# Altium PCB PCB1.PcbDoc (part 3 of 5) (continued)
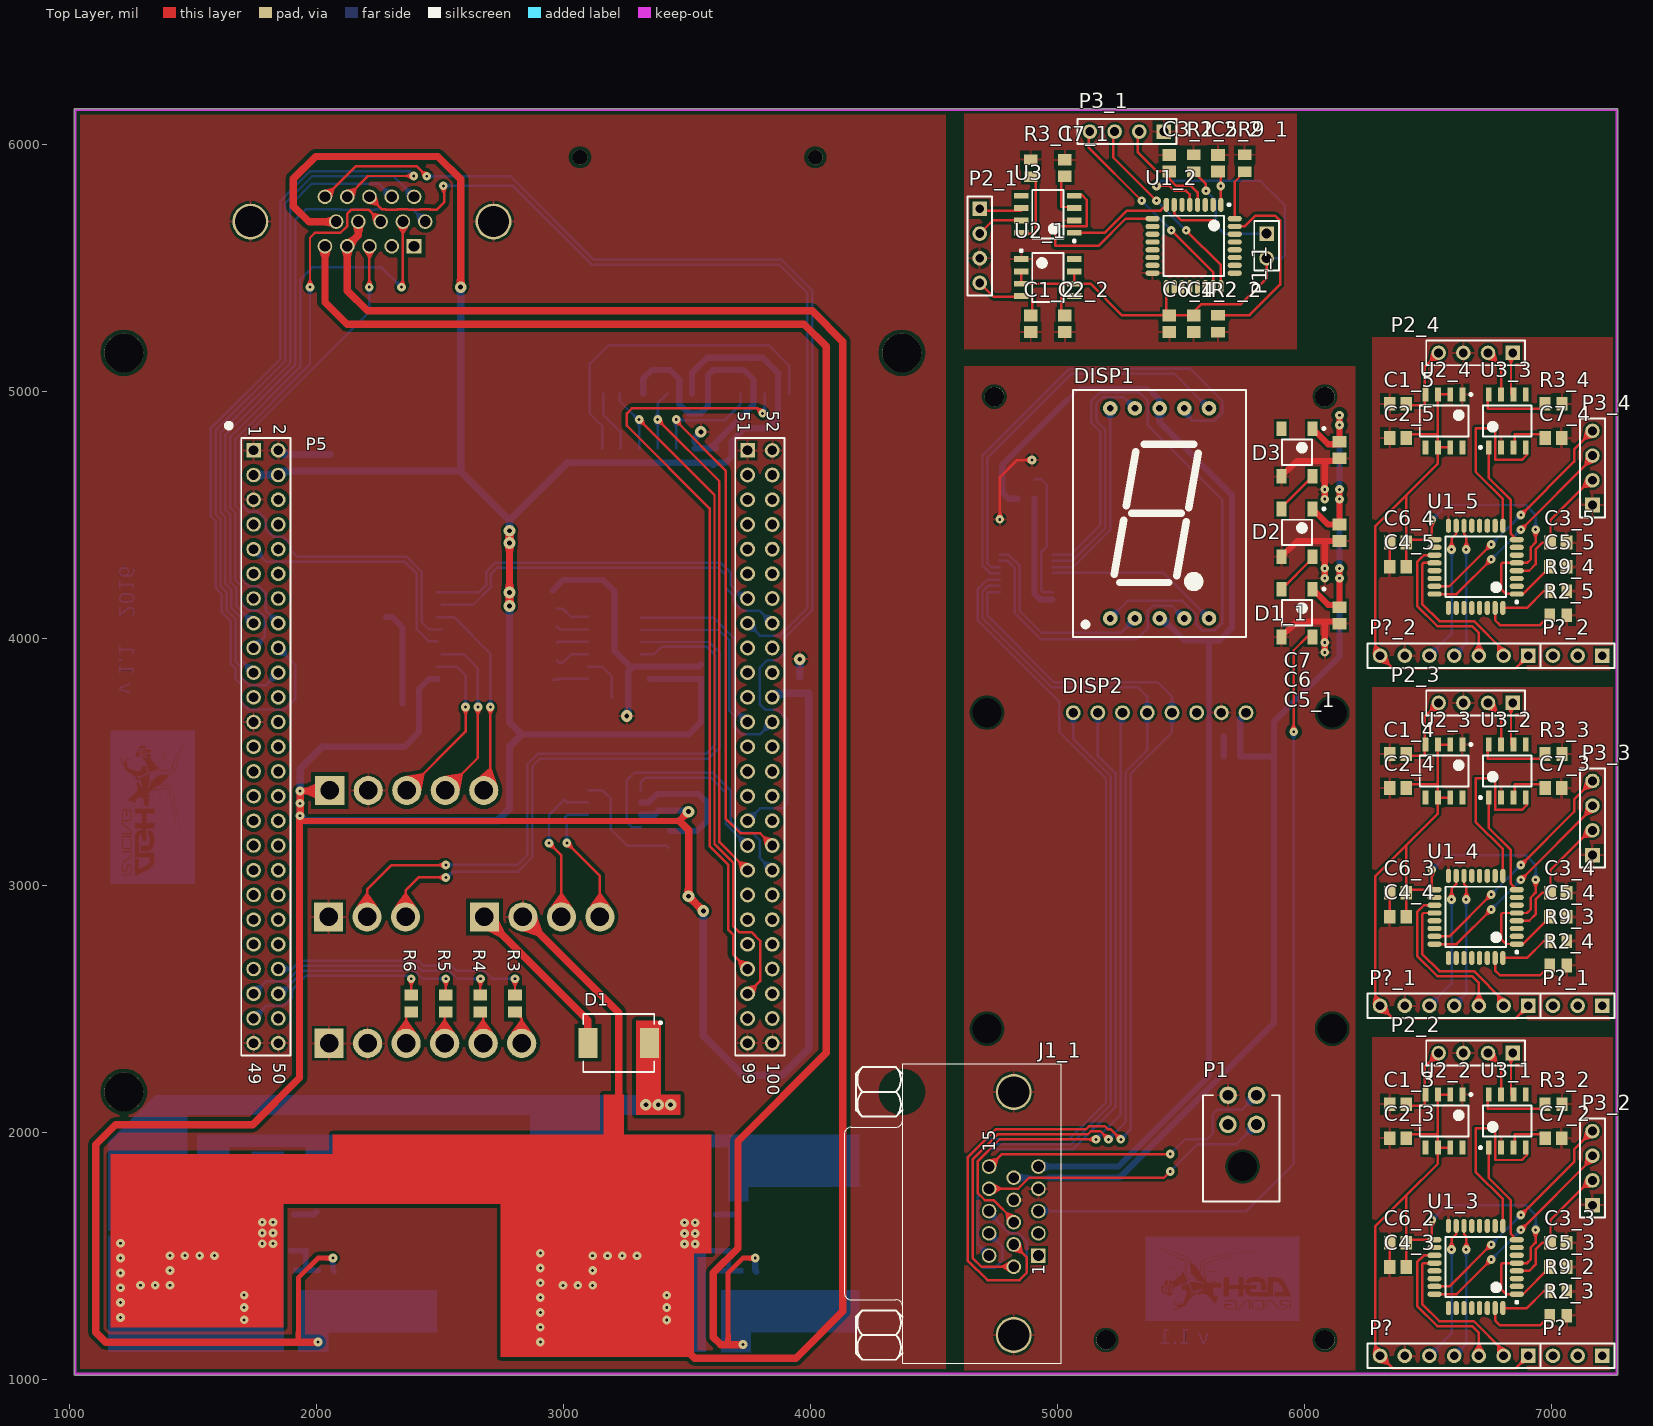
[diagram p0: Top Layer view]
## Nets (pads, with @x,y where several pads share a name; then routed paths per layer and width w, separated by ;. In a path a pad name is that pad's centre, name@x,y a point inside that pad or via, vN(x,y) a via of type N, cw(c..) or ccw(c..) an arc to the next point about the centre after c; other vN are vias at no path point) (continued)
1439.35,3526.6 ; 1439.35,3539.6 1439.35,3628.6 ; 1440.35,3007.6 1440.35,3140.6 ; 1440.35,3143.6 1440.35,3255.6 ; 1440.35,3293.6 1440.35,3497.6 ; 1440.35,3512.6 1440.35,3528.6 ; 1440.35,3541.6 1440.35,3628.6 ; 1441.35,3007.6 1441.35,3140.6 ; 1441.35,3161.6 1441.35,3244.6 ; 1441.35,3287.6 1441.35,3500.6 ; 1441.35,3515.6 1441.35,3530.6 ; 1441.35,3543.6 1441.35,3628.6 ; 1442.35,3007.6 1442.35,3140.6 ; 1442.35,3182.6 1442.35,3231.6 ; 1442.35,3279.6 1442.35,3503.6 ; 1442.35,3517.6 1442.35,3532.6 ; 1442.35,3544.6 1442.35,3628.6 ; 1443.35,3007.6 1443.35,3151.6 ; 1443.35,3271.6 1443.35,3506.6 ; 1443.35,3519.6 1443.35,3534.6 ; 1443.35,3546.6 1443.35,3628.6 ; 1444.35,3007.6 1444.35,3158.6 ; 1444.35,3263.6 1444.35,3508.6 ; 1444.35,3521.6 1444.35,3536.6 ; 1444.35,3548.6 1444.35,3628.6 ; 1445.35,3007.6 1445.35,3167.6 ; 1445.35,3255.6 1445.35,3511.6 ; 1445.35,3523.6 1445.35,3538.6 ; 1445.35,3549.6 1445.35,3628.6 ; 1446.35,3007.6 1446.35,3175.6 ; 1446.35,3246.6 1446.35,3513.6 ; 1446.35,3526.6 1446.35,3540.6 ; 1446.35,3551.6 1446.35,3628.6 ; 1447.35,3007.6 1447.35,3209.6 ; 1447.35,3235.6 1447.35,3516.6 ; 1447.35,3528.6 1447.35,3541.6 ; 1447.35,3552.6 1447.35,3628.6 ; 1448.35,3007.6 1448.35,3518.6 ; 1448.35,3530.6 1448.35,3543.6 ; 1448.35,3554.6 1448.35,3628.6 ; 1449.35,3007.6 1449.35,3520.6 ; 1449.35,3532.6 1449.35,3545.6 ; 1449.35,3556.6 1449.35,3628.6 ; 1450.35,3007.6 1450.35,3522.6 ; 1450.35,3534.6 1450.35,3546.6 ; 1450.35,3557.6 1450.35,3628.6 ; 1451.35,3007.6 1451.35,3525.6 ; 1451.35,3536.6 1451.35,3548.6 ; 1451.35,3559.6 1451.35,3628.6 ; 1452.35,3007.6 1452.35,3527.6 ; 1452.35,3538.6 1452.35,3550.6 ; 1452.35,3560.6 1452.35,3628.6 ; 1453.35,3007.6 1453.35,3529.6 ; 1453.35,3540.6 1453.35,3551.6 ; 1453.35,3562.6 1453.35,3628.6 ; 1454.35,3007.6 1454.35,3531.6 ; 1454.35,3541.6 1454.35,3553.6 ; 1454.35,3564.6 1454.35,3628.6 ; 1455.35,3007.6 1455.35,3534.6 ; 1455.35,3543.6 1455.35,3555.6 ; 1455.35,3565.6 1455.35,3628.6 ; 1456.35,3007.6 1456.35,3536.6 ; 1456.35,3545.6 1456.35,3556.6 ; 1456.35,3567.6 1456.35,3628.6 ; 1457.35,3007.6 1457.35,3538.6 ; 1457.35,3547.6 1457.35,3558.6 ; 1457.35,3568.6 1457.35,3628.6 ; 1458.35,3007.6 1458.35,3540.6 ; 1458.35,3549.6 1458.35,3560.6 ; 1458.35,3570.6 1458.35,3628.6 ; 1459.35,3007.6 1459.35,3542.6 ; 1459.35,3551.6 1459.35,3561.6 ; 1459.35,3571.6 1459.35,3628.6 ; 1460.35,3007.6 1460.35,3544.6 ; 1460.35,3553.6 1460.35,3563.6 ; 1460.35,3573.6 1460.35,3628.6 ; 1461.35,3007.6 1461.35,3546.6 ; 1461.35,3555.6 1461.35,3565.6 ; 1461.35,3574.6 1461.35,3628.6 ; 1462.35,3007.6 1462.35,3548.6 ; 1462.35,3556.6 1462.35,3566.6 ; 1462.35,3576.6 1462.35,3628.6 ; 1463.35,3007.6 1463.35,3550.6 ; 1463.35,3558.6 1463.35,3568.6 ; 1463.35,3577.6 1463.35,3628.6 ; 1464.35,3007.6 1464.35,3552.6 ; 1464.35,3560.6 1464.35,3570.6 ; 1464.35,3579.6 1464.35,3628.6 ; 1465.35,3007.6 1465.35,3554.6 ; 1465.35,3561.6 1465.35,3571.6 ; 1465.35,3580.6 1465.35,3628.6 ; 1466.35,3007.6 1466.35,3556.6 ; 1466.35,3563.6 1466.35,3573.6 ; 1466.35,3582.6 1466.35,3628.6 ; 1467.35,3007.6 1467.35,3558.6 ; 1467.35,3564.6 1467.35,3575.6 ; 1467.35,3583.6 1467.35,3628.6 ; 1468.35,3007.6 1468.35,3560.6 ; 1468.35,3566.6 1468.35,3576.6 ; 1468.35,3585.6 1468.35,3628.6 ; 1469.35,3007.6 1469.35,3563.6 ; 1469.35,3568.6 1469.35,3578.6 ; 1469.35,3586.6 1469.35,3628.6 ; 1470.35,3007.6 1470.35,3565.6 ; 1470.35,3568.6 1470.35,3579.6 ; 1470.35,3587.6 1470.35,3628.6 ; 1471.35,3007.6 1471.35,3567.6 ; 1471.35,3568.6 1471.35,3581.6 ; 1471.35,3589.6 1471.35,3628.6 ; 1472.35,3007.6 1472.35,3582.6 ; 1472.35,3590.6 1472.35,3628.6 ; 1473.35,3007.6 1473.35,3584.6 ; 1473.35,3591.6 1473.35,3628.6 ; 1474.35,3007.6 1474.35,3585.6 ; 1474.35,3593.6 1474.35,3628.6 ; 1475.35,3007.6 1475.35,3587.6 ; 1475.35,3594.6 1475.35,3628.6 ; 1476.35,3007.6 1476.35,3588.6 ; 1476.35,3595.6 1476.35,3628.6 ; 1477.35,3007.6 1477.35,3590.6 ; 1477.35,3596.6 1477.35,3628.6 ; 1478.35,3007.6 1478.35,3591.6 ; 1478.35,3597.6 1478.35,3628.6 ; 1479.35,3007.6 1479.35,3593.6 ; 1479.35,3598.6 1479.35,3628.6 ; 1480.35,3007.6 1480.35,3595.6 ; 1480.35,3600.6 1480.35,3628.6 ; 1481.35,3007.6 1481.35,3596.6 ; 1481.35,3601.6 1481.35,3628.6 ; 1482.35,3007.6 1482.35,3598.6 ; 1482.35,3602.6 1482.35,3628.6 ; 1483.35,3007.6 1483.35,3599.6 ; 1483.35,3602.6 1483.35,3628.6 ; 1484.35,3007.6 1484.35,3601.6 ; 1484.35,3602.6 1484.35,3628.6 ; 1485.35,3007.6 1485.35,3628.6 ; 1486.35,3007.6 1486.35,3628.6 ; 1487.35,3007.6 1487.35,3628.6 ; 1488.35,3007.6 1488.35,3628.6 ; 1489.35,3007.6 1489.35,3628.6 ; 1490.35,3007.6 1490.35,3628.6 ; 1491.35,3007.6 1491.35,3628.6 ; 1492.35,3007.6 1492.35,3628.6 ; 1493.35,3007.6 1493.35,3628.6 ; 1494.35,3007.6 1494.35,3628.6 ; 1495.35,3007.6 1495.35,3628.6 ; 1496.35,3007.6 1496.35,3628.6 ; 1497.35,3007.6 1497.35,3628.6 ; 1498.35,3007.6 1498.35,3628.6 ; 1499.35,3007.6 1499.35,3628.6 ; 1500.35,3007.6 1500.35,3628.6 ; 1501.35,3007.6 1501.35,3628.6 ; 1502.35,3007.6 1502.35,3628.6 ; 1503.35,3007.6 1503.35,3628.6 ; 1504.35,3007.6 1504.35,3628.6 ; 1505.35,3007.6 1505.35,3628.6 ; 1506.35,3007.6 1506.35,3628.6 ; 5357.7,1241.62 5978.7,1241.62 ; 5357.7,1242.62 5978.7,1242.62 ; 5357.7,1243.62 5978.7,1243.62 ; 5357.7,1244.62 5978.7,1244.62 ; 5357.7,1245.62 5978.7,1245.62 ; 5357.7,1246.62 5978.7,1246.62 ; 5357.7,1247.62 5978.7,1247.62 ; 5357.7,1248.62 5978.7,1248.62 ; 5357.7,1249.62 5978.7,1249.62 ; 5357.7,1250.62 5978.7,1250.62 ; 5357.7,1251.62 5978.7,1251.62 ; 5357.7,1252.62 5978.7,1252.62 ; 5357.7,1253.62 5978.7,1253.62 ; 5357.7,1254.62 5978.7,1254.62 ; 5357.7,1255.62 5978.7,1255.62 ; 5357.7,1256.62 5978.7,1256.62 ; 5357.7,1257.62 5978.7,1257.62 ; 5357.7,1258.62 5978.7,1258.62 ; 5357.7,1259.62 5978.7,1259.62 ; 5357.7,1260.62 5978.7,1260.62 ; 5357.7,1261.62 5978.7,1261.62 ; 5357.7,1262.62 5978.7,1262.62 ; 5357.7,1263.62 5978.7,1263.62 ; 5357.7,1264.62 5978.7,1264.62 ; 5357.7,1265.62 5978.7,1265.62 ; 5357.7,1266.62 5978.7,1266.62 ; 5357.7,1267.62 5978.7,1267.62 ; 5357.7,1268.62 5978.7,1268.62 ; 5357.7,1269.62 5978.7,1269.62 ; 5357.7,1270.62 5978.7,1270.62 ; 5357.7,1271.62 5978.7,1271.62 ; 5357.7,1272.62 5978.7,1272.62 ; 5357.7,1273.62 5978.7,1273.62 ; 5357.7,1274.62 5978.7,1274.62 ; 5357.7,1275.62 5978.7,1275.62 ; 5357.7,1276.62 5978.7,1276.62 ; 5357.7,1277.62 5978.7,1277.62 ; 5357.7,1278.62 5978.7,1278.62 ; 5357.7,1279.62 5469.7,1279.62 ; 5357.7,1280.62 5468.7,1280.62 ; 5357.7,1281.62 5467.7,1281.62 ; 5357.7,1282.62 5467.7,1282.62 ; 5357.7,1283.62 5466.7,1283.62 ; 5357.7,1284.62 5466.7,1284.62 ; 5357.7,1285.62 5466.7,1285.62 ; 5357.7,1286.62 5466.7,1286.62 ; 5357.7,1287.62 5466.7,1287.62 ; 5357.7,1288.62 5466.7,1288.62 ; 5357.7,1289.62 5466.7,1289.62 ; 5357.7,1290.62 5467.7,1290.62 ; 5357.7,1291.62 5467.7,1291.62 ; 5357.7,1292.62 5468.7,1292.62 ; 5357.7,1293.62 5468.7,1293.62 ; 5357.7,1294.62 5469.7,1294.62 ; 5357.7,1295.62 5470.7,1295.62 ; 5357.7,1296.62 5480.7,1296.62 ; 5357.7,1297.62 5478.7,1297.62 ; 5357.7,1298.62 5477.7,1298.62 ; 5357.7,1299.62 5476.7,1299.62 ; 5357.7,1300.62 5475.7,1300.62 ; 5357.7,1301.62 5474.7,1301.62 ; 5357.7,1302.62 5473.7,1302.62 ; 5357.7,1303.62 5473.7,1303.62 ; 5357.7,1304.62 5472.7,1304.62 ; 5357.7,1305.62 5472.7,1305.62 ; 5357.7,1306.62 5471.7,1306.62 ; 5357.7,1307.62 5471.7,1307.62 ; 5357.7,1308.62 5471.7,1308.62 ; 5357.7,1309.62 5471.7,1309.62 ; 5357.7,1310.62 5471.7,1310.62 ; 5357.7,1311.62 5471.7,1311.62 ; 5357.7,1312.62 5471.7,1312.62 ; 5357.7,1313.62 5472.7,1313.62 ; 5357.7,1314.62 5472.7,1314.62 ; 5357.7,1315.62 5472.7,1315.62 ; 5357.7,1316.62 5472.7,1316.62 ; 5357.7,1317.62 5473.7,1317.62 ; 5357.7,1318.62 5474.7,1318.62 ; 5357.7,1319.62 5475.7,1319.62 ; 5357.7,1320.62 5478.7,1320.62 ; 5357.7,1321.62 5497.7,1321.62 ; 5357.7,1322.62 5511.7,1322.62 ; 5357.7,1323.62 5512.7,1323.62 ; 5357.7,1324.62 5512.7,1324.62 ; 5357.7,1325.62 5512.7,1325.62 ; 5357.7,1326.62 5512.7,1326.62 ; 5357.7,1327.62 5512.7,1327.62 ; 5357.7,1328.62 5513.7,1328.62 ; 5357.7,1329.62 5513.7,1329.62 ; 5357.7,1330.62 5513.7,1330.62 ; 5357.7,1331.62 5514.7,1331.62 ; 5357.7,1332.62 5514.7,1332.62 ; 5357.7,1333.62 5514.7,1333.62 ; 5357.7,1334.62 5515.7,1334.62 ; 5357.7,1335.62 5515.7,1335.62 ; 5357.7,1336.62 5516.7,1336.62 ; 5357.7,1337.62 5516.7,1337.62 ; 5357.7,1338.62 5517.7,1338.62 ; 5357.7,1339.62 5517.7,1339.62 ; 5357.7,1340.62 5451.7,1340.62 ; 5357.7,1341.62 5441.7,1341.62 ; 5357.7,1342.62 5438.7,1342.62 ; 5357.7,1343.62 5436.7,1343.62 ; 5357.7,1344.62 5434.7,1344.62 ; 5357.7,1345.62 5432.7,1345.62 ; 5357.7,1346.62 5431.7,1346.62 ; 5357.7,1347.62 5430.7,1347.62 ; 5357.7,1348.62 5429.7,1348.62 ; 5357.7,1349.62 5427.7,1349.62 ; 5357.7,1350.62 5426.7,1350.62 ; 5357.7,1351.62 5426.7,1351.62 ; 5357.7,1352.62 5425.7,1352.62 ; 5357.7,1353.62 5424.7,1353.62 ; 5357.7,1354.62 5423.7,1354.62 ; 5357.7,1355.62 5422.7,1355.62 ; 5357.7,1356.62 5421.7,1356.62 ; 5357.7,1357.62 5421.7,1357.62 ; 5357.7,1358.62 5420.7,1358.62 ; 5357.7,1359.62 5419.7,1359.62 ; 5357.7,1360.62 5419.7,1360.62 ; 5357.7,1361.62 5418.7,1361.62 ; 5357.7,1362.62 5418.7,1362.62 ; 5357.7,1363.62 5418.7,1363.62 ; 5357.7,1364.62 5417.7,1364.62 ; 5357.7,1365.62 5417.7,1365.62 ; 5357.7,1366.62 5417.7,1366.62 ; 5357.7,1367.62 5417.7,1367.62 ; 5357.7,1368.62 5417.7,1368.62 ; 5357.7,1369.62 5417.7,1369.62 ; 5357.7,1370.62 5417.7,1370.62 ; 5357.7,1371.62 5417.7,1371.62 ; 5357.7,1372.62 5417.7,1372.62 ; 5357.7,1373.62 5417.7,1373.62 ; 5357.7,1374.62 5417.7,1374.62 ; 5357.7,1375.62 5417.7,1375.62 ; 5357.7,1376.62 5417.7,1376.62 ; 5357.7,1377.62 5417.7,1377.62 ; 5357.7,1378.62 5417.7,1378.62 ; 5357.7,1379.62 5418.7,1379.62 ; 5357.7,1380.62 5418.7,1380.62 ; 5357.7,1381.62 5419.7,1381.62 ; 5357.7,1382.62 5420.7,1382.62 ; 5357.7,1383.62 5421.7,1383.62 ; 5357.7,1384.62 5422.7,1384.62 ; 5357.7,1385.62 5425.7,1385.62 ; 5357.7,1386.62 5432.7,1386.62 ; 5357.7,1387.62 5432.7,1387.62 ; 5357.7,1388.62 5432.7,1388.62 ; 5357.7,1389.62 5432.7,1389.62 ; 5357.7,1390.62 5432.7,1390.62 ; 5357.7,1391.62 5432.7,1391.62 ; 5357.7,1392.62 5432.7,1392.62 ; 5357.7,1393.62 5432.7,1393.62 ; 5357.7,1394.62 5432.7,1394.62 ; 5357.7,1395.62 5432.7,1395.62 ; 5357.7,1396.62 5432.7,1396.62 ; 5357.7,1397.62 5432.7,1397.62 ; 5357.7,1398.62 5432.7,1398.62 ; 5357.7,1399.62 5432.7,1399.62 ; 5357.7,1400.62 5433.7,1400.62 ; 5357.7,1401.62 5433.7,1401.62 ; 5357.7,1402.62 5434.7,1402.62 ; 5357.7,1403.62 5435.7,1403.62 ; 5357.7,1404.62 5437.7,1404.62 ; 5357.7,1405.62 5474.7,1405.62 ; 5357.7,1406.62 5475.7,1406.62 ; 5357.7,1407.62 5476.7,1407.62 ; 5357.7,1408.62 5477.7,1408.62 ; 5357.7,1409.62 5478.7,1409.62 ; 5357.7,1410.62 5479.7,1410.62 ; 5357.7,1411.62 5481.7,1411.62 ; 5357.7,1412.62 5482.7,1412.62 ; 5357.7,1413.62 5483.7,1413.62 ; 5357.7,1414.62 5484.7,1414.62 ; 5357.7,1415.62 5486.7,1415.62 ; 5357.7,1416.62 5487.7,1416.62 ; 5357.7,1417.62 5489.7,1417.62 ; 5357.7,1418.62 5490.7,1418.62 ; 5357.7,1419.62 5485.7,1419.62 ; 5357.7,1420.62 5485.7,1420.62 ; 5357.7,1421.62 5484.7,1421.62 ; 5357.7,1422.62 5484.7,1422.62 ; 5357.7,1423.62 5484.7,1423.62 ; 5357.7,1424.62 5484.7,1424.62 ; 5357.7,1425.62 5483.7,1425.62 ; 5357.7,1426.62 5483.7,1426.62 ; 5357.7,1427.62 5483.7,1427.62 ; 5357.7,1428.62 5483.7,1428.62 ; 5357.7,1429.62 5482.7,1429.62 ; 5357.7,1430.62 5482.7,1430.62 ; 5357.7,1431.62 5482.7,1431.62 ; 5357.7,1432.62 5481.7,1432.62 ; 5357.7,1433.62 5481.7,1433.62 ; 5357.7,1434.62 5480.7,1434.62 ; 5357.7,1435.62 5480.7,1435.62 ; 5357.7,1436.62 5479.7,1436.62 ; 5357.7,1437.62 5479.7,1437.62 ; 5357.7,1438.62 5478.7,1438.62 ; 5357.7,1439.62 5478.7,1439.62 ; 5357.7,1440.62 5477.7,1440.62 ; 5357.7,1441.62 5477.7,1441.62 ; 5357.7,1442.62 5476.7,1442.62 ; 5357.7,1443.62 5476.7,1443.62 ; 5357.7,1444.62 5475.7,1444.62 ; 5357.7,1445.62 5475.7,1445.62 ; 5357.7,1446.62 5474.7,1446.62 ; 5357.7,1447.62 5473.7,1447.62 ; 5357.7,1448.62 5472.7,1448.62 ; 5357.7,1449.62 5471.7,1449.62 ; 5357.7,1450.62 5469.7,1450.62 ; 5357.7,1451.62 5465.7,1451.62 ; 5357.7,1452.62 5462.7,1452.62 ; 5357.7,1453.62 5458.7,1453.62 ; 5357.7,1454.62 5454.7,1454.62 ; 5357.7,1455.62 5450.7,1455.62 ; 5357.7,1456.62 5446.7,1456.62 ; 5357.7,1457.62 5440.7,1457.62 ; 5357.7,1458.62 5434.7,1458.62 ; 5357.7,1459.62 5428.7,1459.62 ; 5357.7,1460.62 5393.7,1460.62 ; 5357.7,1461.62 5393.7,1461.62 ; 5357.7,1462.62 5397.7,1462.62 ; 5357.7,1463.62 5405.7,1463.62 ; 5357.7,1464.62 5516.7,1464.62 ; 5357.7,1465.62 5516.7,1465.62 ; 5357.7,1466.62 5516.7,1466.62 ; 5357.7,1467.62 5516.7,1467.62 ; 5357.7,1468.62 5516.7,1468.62 ; 5357.7,1469.62 5516.7,1469.62 ; 5357.7,1470.62 5516.7,1470.62 ; 5357.7,1471.62 5516.7,1471.62 ; 5357.7,1472.62 5517.7,1472.62 ; 5357.7,1473.62 5517.7,1473.62 ; 5357.7,1474.62 5517.7,1474.62 ; 5357.7,1475.62 5517.7,1475.62 ; 5357.7,1476.62 5517.7,1476.62 ; 5357.7,1477.62 5517.7,1477.62 ; 5357.7,1478.62 5517.7,1478.62 ; 5357.7,1479.62 5517.7,1479.62 ; 5357.7,1480.62 5517.7,1480.62 ; 5357.7,1481.62 5511.7,1481.62 ; 5357.7,1482.62 5508.7,1482.62 ; 5357.7,1483.62 5506.7,1483.62 ; 5357.7,1484.62 5503.7,1484.62 ; 5357.7,1485.62 5501.7,1485.62 ; 5357.7,1486.62 5498.7,1486.62 ; 5357.7,1487.62 5496.7,1487.62 ; 5357.7,1488.62 5494.7,1488.62 ; 5357.7,1489.62 5491.7,1489.62 ; 5357.7,1490.62 5489.7,1490.62 ; 5357.7,1491.62 5487.7,1491.62 ; 5357.7,1492.62 5485.7,1492.62 ; 5357.7,1493.62 5483.7,1493.62 ; 5357.7,1494.62 5480.7,1494.62 ; 5357.7,1495.62 5478.7,1495.62 ; 5357.7,1496.62 5476.7,1496.62 ; 5357.7,1497.62 5474.7,1497.62 ; 5357.7,1498.62 5472.7,1498.62 ; 5357.7,1499.62 5469.7,1499.62 ; 5357.7,1500.62 5467.7,1500.62 ; 5357.7,1501.62 5465.7,1501.62 ; 5357.7,1502.62 5463.7,1502.62 ; 5357.7,1503.62 5461.7,1503.62 ; 5357.7,1504.62 5459.7,1504.62 ; 5357.7,1505.62 5457.7,1505.62 ; 5357.7,1506.62 5455.7,1506.62 ; 5357.7,1507.62 5453.7,1507.62 ; 5357.7,1508.62 5451.7,1508.62 ; 5357.7,1509.62 5449.7,1509.62 ; 5357.7,1510.62 5448.7,1510.62 ; 5357.7,1511.62 5446.7,1511.62 ; 5357.7,1512.62 5444.7,1512.62 ; 5357.7,1513.62 5442.7,1513.62 ; 5357.7,1514.62 5441.7,1514.62 ; 5357.7,1515.62 5439.7,1515.62 ; 5357.7,1516.62 5437.7,1516.62 ; 5357.7,1517.62 5436.7,1517.62 ; 5357.7,1518.62 5434.7,1518.62 ; 5357.7,1519.62 5433.7,1519.62 ; 5357.7,1520.62 5431.7,1520.62 ; 5357.7,1521.62 5429.7,1521.62 ; 5357.7,1522.62 5428.7,1522.62 ; 5357.7,1523.62 5426.7,1523.62 ; 5357.7,1524.62 5425.7,1524.62 ; 5357.7,1525.62 5423.7,1525.62 ; 5357.7,1526.62 5421.7,1526.62 ; 5357.7,1527.62 5420.7,1527.62 ; 5357.7,1528.62 5418.7,1528.62 ; 5357.7,1529.62 5417.7,1529.62 ; 5357.7,1530.62 5415.7,1530.62 ; 5357.7,1531.62 5414.7,1531.62 ; 5357.7,1532.62 5412.7,1532.62 ; 5357.7,1533.62 5411.7,1533.62 ; 5357.7,1534.62 5409.7,1534.62 ; 5357.7,1535.62 5408.7,1535.62 ; 5357.7,1536.62 5406.7,1536.62 ; 5357.7,1537.62 5405.7,1537.62 ; 5357.7,1538.62 5403.7,1538.62 ; 5357.7,1539.62 5402.7,1539.62 ; 5357.7,1540.62 5400.7,1540.62 ; 5357.7,1541.62 5399.7,1541.62 ; 5357.7,1542.62 5398.7,1542.62 ; 5357.7,1543.62 5396.7,1543.62 ; 5357.7,1544.62 5395.7,1544.62 ; 5357.7,1545.62 5394.7,1545.62 ; 5357.7,1546.62 5392.7,1546.62 ; 5357.7,1547.62 5391.7,1547.62 ; 5357.7,1548.62 5390.7,1548.62 ; 5357.7,1549.62 5389.7,1549.62 ; 5357.7,1550.62 5388.7,1550.62 ; 5357.7,1551.62 5387.7,1551.62 ; 5357.7,1552.62 5385.7,1552.62 ; 5357.7,1553.62 5384.7,1553.62 ; 5357.7,1554.62 5383.7,1554.62 ; 5357.7,1555.62 5383.7,1555.62 ; 5357.7,1556.62 5383.7,1556.62 ; 5357.7,1557.62 5978.7,1557.62 ; 5357.7,1558.62 5978.7,1558.62 ; 5357.7,1559.62 5978.7,1559.62 ; 5357.7,1560.62 5978.7,1560.62 ; 5357.7,1561.62 5978.7,1561.62 ; 5357.7,1562.62 5978.7,1562.62 ; 5357.7,1563.62 5978.7,1563.62 ; 5357.7,1564.62 5978.7,1564.62 ; 5357.7,1565.62 5978.7,1565.62 ; 5357.7,1566.62 5978.7,1566.62 ; 5357.7,1567.62 5978.7,1567.62 ; 5357.7,1568.62 5978.7,1568.62 ; 5357.7,1569.62 5978.7,1569.62 ; 5357.7,1570.62 5978.7,1570.62 ; 5357.7,1571.62 5978.7,1571.62 ; 5357.7,1572.62 5978.7,1572.62 ; 5357.7,1573.62 5978.7,1573.62 ; 5357.7,1574.62 5978.7,1574.62 ; 5357.7,1575.62 5978.7,1575.62 ; 5357.7,1576.62 5978.7,1576.62 ; 5357.7,1577.62 5978.7,1577.62 ; 5357.7,1578.62 5978.7,1578.62 ; 5384.7,1556.62 5978.7,1556.62 ; 5386.7,1555.62 5978.7,1555.62 ; 5387.7,1554.62 5978.7,1554.62 ; 5389.7,1553.62 5978.7,1553.62 ; 5390.7,1552.62 5978.7,1552.62 ; 5392.7,1551.62 5978.7,1551.62 ; 5394.7,1550.62 5978.7,1550.62 ; 5395.7,1549.62 5978.7,1549.62 ; 5397.7,1548.62 5978.7,1548.62 ; 5398.7,1547.62 5978.7,1547.62 ; 5400.7,1546.62 5978.7,1546.62 ; 5401.7,1545.62 5978.7,1545.62 ; 5403.7,1460.62 5418.7,1460.62 ; 5403.7,1544.62 5978.7,1544.62 ; 5404.7,1543.62 5417.7,1543.62 ; 5406.7,1542.62 5417.7,1542.62 ; 5407.7,1541.62 5417.7,1541.62 ; 5409.7,1540.62 5419.7,1540.62 ; 5410.7,1539.62 5421.7,1539.62 ; 5412.7,1538.62 5422.7,1538.62 ; 5414.7,1537.62 5424.7,1537.62 ; 5415.7,1536.62 5425.7,1536.62 ; 5417.7,1535.62 5427.7,1535.62 ; 5418.7,1543.62 5978.7,1543.62 ; 5419.7,1534.62 5429.7,1534.62 ; 5420.7,1533.62 5430.7,1533.62 ; 5420.7,1542.62 5978.7,1542.62 ; 5422.7,1532.62 5432.7,1532.62 ; 5422.7,1541.62 5978.7,1541.62 ; 5424.7,1531.62 5434.7,1531.62 ; 5425.7,1530.62 5436.7,1530.62 ; 5425.7,1540.62 5978.7,1540.62 ; 5427.7,1385.62 5432.7,1385.62 ; 5427.7,1529.62 5438.7,1529.62 ; 5427.7,1539.62 5978.7,1539.62 ; 5428.7,1361.62 5431.7,1361.62 ; 5428.7,1362.62 5430.7,1362.62 ; 5428.7,1363.62 5430.7,1363.62 ; 5428.7,1364.62 5430.7,1364.62 ; 5428.7,1365.62 5430.7,1365.62 ; 5428.7,1366.62 5430.7,1366.62 ; 5428.7,1367.62 5430.7,1367.62 ; 5428.7,1368.62 5430.7,1368.62 ; 5428.7,1369.62 5435.7,1369.62 ; 5428.7,1370.62 5435.7,1370.62 ; 5429.7,1359.62 5431.7,1359.62 ; 5429.7,1360.62 5431.7,1360.62 ; 5429.7,1463.62 5516.7,1463.62 ; 5429.7,1528.62 5440.7,1528.62 ; 5429.7,1538.62 5978.7,1538.62 ; 5430.7,1357.62 5432.7,1357.62 ; 5430.7,1358.62 5432.7,1358.62 ; 5430.7,1381.62 5432.7,1381.62 ; 5430.7,1382.62 5432.7,1382.62 ; 5430.7,1383.62 5432.7,1383.62 ; 5430.7,1384.62 5432.7,1384.62 ; 5430.7,1527.62 5442.7,1527.62 ; 5431.7,1355.62 5434.7,1355.62 ; 5431.7,1356.62 5433.7,1356.62 ; 5431.7,1368.62 5436.7,1368.62 ; 5431.7,1376.62 5433.7,1376.62 ; 5431.7,1377.62 5433.7,1377.62 ; 5431.7,1378.62 5433.7,1378.62 ; 5431.7,1379.62 5433.7,1379.62 ; 5431.7,1380.62 5432.7,1380.62 ; 5431.7,1537.62 5978.7,1537.62 ; 5432.7,1354.62 5434.7,1354.62 ; 5432.7,1371.62 5434.7,1371.62 ; 5432.7,1372.62 5434.7,1372.62 ; 5432.7,1373.62 5434.7,1373.62 ; 5432.7,1374.62 5433.7,1374.62 ; 5432.7,1375.62 5433.7,1375.62 ; 5432.7,1526.62 5444.7,1526.62 ; 5433.7,1353.62 5435.7,1353.62 ; 5433.7,1367.62 5436.7,1367.62 ; 5433.7,1536.62 5978.7,1536.62 ; 5434.7,1351.62 5437.7,1351.62 ; 5434.7,1352.62 5436.7,1352.62 ; 5434.7,1366.62 5437.7,1366.62 ; 5434.7,1525.62 5445.7,1525.62 ; 5435.7,1350.62 5437.7,1350.62 ; 5435.7,1365.62 5437.7,1365.62 ; 5435.7,1524.62 5447.7,1524.62 ; 5435.7,1535.62 5978.7,1535.62 ; 5436.7,1349.62 5438.7,1349.62 ; 5436.7,1363.62 5439.7,1363.62 ; 5436.7,1364.62 5438.7,1364.62 ; 5437.7,1348.62 5439.7,1348.62 ; 5437.7,1362.62 5439.7,1362.62 ; 5437.7,1462.62 5464.7,1462.62 ; 5437.7,1523.62 5449.7,1523.62 ; 5437.7,1534.62 5978.7,1534.62 ; 5438.7,1347.62 5440.7,1347.62 ; 5438.7,1361.62 5440.7,1361.62 ; 5439.7,1345.62 5442.7,1345.62 ; 5439.7,1346.62 5441.7,1346.62 ; 5439.7,1359.62 5442.7,1359.62 ; 5439.7,1360.62 5441.7,1360.62 ; 5439.7,1522.62 5451.7,1522.62 ; 5439.7,1533.62 5978.7,1533.62 ; 5440.7,1344.62 5444.7,1344.62 ; 5440.7,1358.62 5447.7,1358.62 ; 5440.7,1521.62 5453.7,1521.62 ; 5441.7,1343.62 5445.7,1343.62 ; 5441.7,1357.62 5447.7,1357.62 ; 5441.7,1532.62 5978.7,1532.62 ; 5442.7,1341.62 5448.7,1341.62 ; 5442.7,1342.62 5447.7,1342.62 ; 5442.7,1356.62 5447.7,1356.62 ; 5442.7,1371.62 5444.7,1371.62 ; 5442.7,1372.62 5444.7,1372.62 ; 5442.7,1373.62 5444.7,1373.62 ; 5442.7,1374.62 5444.7,1374.62 ; 5442.7,1375.62 5444.7,1375.62 ; 5442.7,1376.62 5444.7,1376.62 ; 5442.7,1377.62 5443.7,1377.62 ; 5442.7,1378.62 5443.7,1378.62 ; 5442.7,1379.62 5443.7,1379.62 ; 5442.7,1380.62 5443.7,1380.62 ; 5442.7,1381.62 5444.7,1381.62 ; 5442.7,1382.62 5444.7,1382.62 ; 5442.7,1383.62 5445.7,1383.62 ; 5442.7,1520.62 5455.7,1520.62 ; 5443.7,1355.62 5447.7,1355.62 ; 5443.7,1365.62 5445.7,1365.62 ; 5443.7,1366.62 5445.7,1366.62 ; 5443.7,1367.62 5445.7,1367.62 ; 5443.7,1368.62 5444.7,1368.62 ; 5443.7,1369.62 5444.7,1369.62 ; 5443.7,1370.62 5444.7,1370.62 ; 5443.7,1384.62 5445.7,1384.62 ; 5443.7,1404.62 5454.7,1404.62 ; 5443.7,1531.62 5978.7,1531.62 ; 5444.7,1359.62 5446.7,1359.62 ; 5444.7,1360.62 5446.7,1360.62 ; 5444.7,1361.62 5446.7,1361.62 ; 5444.7,1362.62 5446.7,1362.62 ; 5444.7,1363.62 5446.7,1363.62 ; 5444.7,1364.62 5445.7,1364.62 ; 5444.7,1461.62 5464.7,1461.62 ; 5444.7,1519.62 5457.7,1519.62 ; 5445.7,1354.62 5448.7,1354.62 ; 5445.7,1403.62 5452.7,1403.62 ; 5445.7,1518.62 5459.7,1518.62 ; 5445.7,1530.62 5978.7,1530.62 ; 5446.7,1402.62 5451.7,1402.62 ; 5447.7,1353.62 5448.7,1353.62 ; 5447.7,1401.62 5451.7,1401.62 ; 5447.7,1517.62 5462.7,1517.62 ; 5447.7,1529.62 5978.7,1529.62 ; 5448.7,1397.62 5451.7,1397.62 ; 5448.7,1398.62 5451.7,1398.62 ; 5448.7,1399.62 5451.7,1399.62 ; 5448.7,1400.62 5451.7,1400.62 ; 5449.7,1387.62 5451.7,1387.62 ; 5449.7,1388.62 5451.7,1388.62 ; 5449.7,1389.62 5451.7,1389.62 ; 5449.7,1390.62 5451.7,1390.62 ; 5449.7,1391.62 5451.7,1391.62 ; 5449.7,1392.62 5451.7,1392.62 ; 5449.7,1393.62 5451.7,1393.62 ; 5449.7,1394.62 5451.7,1394.62 ; 5449.7,1395.62 5451.7,1395.62 ; 5449.7,1396.62 5451.7,1396.62 ; 5449.7,1460.62 5464.7,1460.62 ; 5449.7,1516.62 5464.7,1516.62 ; 5449.7,1528.62 5978.7,1528.62 ; 5450.7,1381.62 5452.7,1381.62 ; 5450.7,1382.62 5452.7,1382.62 ; 5450.7,1383.62 5452.7,1383.62 ; 5450.7,1384.62 5452.7,1384.62 ; 5450.7,1385.62 5452.7,1385.62 ; 5450.7,1386.62 5452.7,1386.62 ; 5451.7,1376.62 5453.7,1376.62 ; 5451.7,1377.62 5453.7,1377.62 ; 5451.7,1378.62 5453.7,1378.62 ; 5451.7,1379.62 5453.7,1379.62 ; 5451.7,1380.62 5452.7,1380.62 ; 5451.7,1515.62 5466.7,1515.62 ; 5451.7,1527.62 5978.7,1527.62 ; 5452.7,1371.62 5454.7,1371.62 ; 5452.7,1372.62 5454.7,1372.62 ; 5452.7,1373.62 5454.7,1373.62 ; 5452.7,1374.62 5454.7,1374.62 ; 5452.7,1375.62 5453.7,1375.62 ; 5453.7,1368.62 5455.7,1368.62 ; 5453.7,1369.62 5455.7,1369.62 ; 5453.7,1370.62 5455.7,1370.62 ; 5453.7,1459.62 5464.7,1459.62 ; 5453.7,1514.62 5468.7,1514.62 ; 5454.7,1365.62 5456.7,1365.62 ; 5454.7,1366.62 5456.7,1366.62 ; 5454.7,1367.62 5456.7,1367.62 ; 5454.7,1526.62 5978.7,1526.62 ; 5455.7,1363.62 5457.7,1363.62 ; 5455.7,1364.62 5457.7,1364.62 ; 5455.7,1513.62 5470.7,1513.62 ; 5456.7,1361.62 5458.7,1361.62 ; 5456.7,1362.62 5458.7,1362.62 ; 5456.7,1458.62 5465.7,1458.62 ; 5456.7,1525.62 5978.7,1525.62 ; 5457.7,1359.62 5463.7,1359.62 ; 5457.7,1360.62 5459.7,1360.62 ; 5457.7,1512.62 5473.7,1512.62 ; 5458.7,1358.62 5464.7,1358.62 ; 5458.7,1524.62 5978.7,1524.62 ; 5459.7,1357.62 5464.7,1357.62 ; 5459.7,1511.62 5475.7,1511.62 ; 5460.7,1340.62 5517.7,1340.62 ; 5460.7,1356.62 5465.7,1356.62 ; 5460.7,1365.62 5462.7,1365.62 ; 5460.7,1366.62 5462.7,1366.62 ; 5460.7,1367.62 5462.7,1367.62 ; 5460.7,1368.62 5462.7,1368.62 ; 5460.7,1369.62 5462.7,1369.62 ; 5460.7,1370.62 5462.7,1370.62 ; 5460.7,1371.62 5462.7,1371.62 ; 5460.7,1372.62 5462.7,1372.62 ; 5460.7,1373.62 5462.7,1373.62 ; 5460.7,1374.62 5462.7,1374.62 ; 5460.7,1375.62 5463.7,1375.62 ; 5460.7,1457.62 5466.7,1457.62 ; 5460.7,1523.62 5978.7,1523.62 ; 5461.7,1355.62 5520.7,1355.62 ; 5461.7,1360.62 5463.7,1360.62 ; 5461.7,1361.62 5463.7,1361.62 ; 5461.7,1362.62 5463.7,1362.62 ; 5461.7,1363.62 5462.7,1363.62 ; 5461.7,1364.62 5462.7,1364.62 ; 5461.7,1376.62 5463.7,1376.62 ; 5461.7,1377.62 5463.7,1377.62 ; 5461.7,1510.62 5477.7,1510.62 ; 5462.7,1341.62 5518.7,1341.62 ; 5462.7,1354.62 5520.7,1354.62 ; 5462.7,1378.62 5464.7,1378.62 ; 5462.7,1379.62 5464.7,1379.62 ; 5462.7,1384.62 5465.7,1384.62 ; 5462.7,1385.62 5465.7,1385.62 ; 5462.7,1386.62 5464.7,1386.62 ; 5462.7,1404.62 5473.7,1404.62 ; 5463.7,1342.62 5518.7,1342.62 ; 5463.7,1353.62 5520.7,1353.62 ; 5463.7,1380.62 5464.7,1380.62 ; 5463.7,1381.62 5465.7,1381.62 ; 5463.7,1382.62 5465.7,1382.62 ; 5463.7,1383.62 5465.7,1383.62 ; 5463.7,1403.62 5471.7,1403.62 ; 5463.7,1509.62 5480.7,1509.62 ; 5463.7,1522.62 5978.7,1522.62 ; 5464.7,1343.62 5518.7,1343.62 ; 5464.7,1352.62 5520.7,1352.62 ; 5464.7,1401.62 5467.7,1401.62 ; 5464.7,1402.62 5470.7,1402.62 ; 5464.7,1456.62 5467.7,1456.62 ; 5465.7,1344.62 5519.7,1344.62 ; 5465.7,1345.62 5519.7,1345.62 ; 5465.7,1346.62 5519.7,1346.62 ; 5465.7,1351.62 5520.7,1351.62 ; 5465.7,1508.62 5482.7,1508.62 ; 5465.7,1521.62 5978.7,1521.62 ; 5466.7,1347.62 5519.7,1347.62 ; 5466.7,1348.62 5520.7,1348.62 ; 5466.7,1349.62 5520.7,1349.62 ; 5466.7,1350.62 5520.7,1350.62 ; 5466.7,1356.62 5520.7,1356.62 ; 5466.7,1357.62 5519.7,1357.62 ; 5466.7,1358.62 5519.7,1358.62 ; 5466.7,1359.62 5518.7,1359.62 ; 5467.7,1360.62 5517.7,1360.62 ; 5467.7,1361.62 5514.7,1361.62 ; 5467.7,1362.62 5510.7,1362.62 ; 5467.7,1363.62 5506.7,1363.62 ; 5467.7,1364.62 5504.7,1364.62 ; 5467.7,1507.62 5485.7,1507.62 ; 5467.7,1520.62 5978.7,1520.62 ; 5468.7,1365.62 5503.7,1365.62 ; 5468.7,1366.62 5503.7,1366.62 ; 5468.7,1367.62 5502.7,1367.62 ; 5468.7,1462.62 5516.7,1462.62 ; 5469.7,1368.62 5502.7,1368.62 ; 5469.7,1461.62 5516.7,1461.62 ; 5469.7,1506.62 5487.7,1506.62 ; 5469.7,1519.62 5750.7,1519.62 ; 5470.7,1369.62 5502.7,1369.62 ; 5470.7,1460.62 5516.7,1460.62 ; 5471.7,1288.62 5480.7,1288.62 ; 5471.7,1289.62 5482.7,1289.62 ; 5471.7,1370.62 5501.7,1370.62 ; 5471.7,1459.62 5516.7,1459.62 ; 5471.7,1505.62 5490.7,1505.62 ; 5472.7,1286.62 5477.7,1286.62 ; 5472.7,1287.62 5479.7,1287.62 ; 5472.7,1290.62 5483.7,1290.62 ; 5472.7,1291.62 5485.7,1291.62 ; 5472.7,1292.62 5486.7,1292.62 ; 5472.7,1293.62 5487.7,1293.62 ; 5472.7,1294.62 5485.7,1294.62 ; 5472.7,1295.62 5482.7,1295.62 ; 5472.7,1457.62 5517.7,1457.62 ; 5472.7,1458.62 5517.7,1458.62 ; 5472.7,1518.62 5739.7,1518.62 ; 5473.7,1285.62 5475.7,1285.62 ; 5473.7,1456.62 5516.7,1456.62 ; 5473.7,1504.62 5493.7,1504.62 ; 5474.7,1371.62 5501.7,1371.62 ; 5474.7,1454.62 5515.7,1454.62 ; 5474.7,1455.62 5516.7,1455.62 ; 5474.7,1517.62 5730.7,1517.62 ; 5475.7,1372.62 5501.7,1372.62 ; 5475.7,1453.62 5515.7,1453.62 ; 5476.7,1373.62 5501.7,1373.62 ; 5476.7,1451.62 5514.7,1451.62 ; 5476.7,1452.62 5515.7,1452.62 ; 5476.7,1503.62 5496.7,1503.62 ; 5477.7,1310.62 5490.7,1310.62 ; 5477.7,1311.62 5490.7,1311.62 ; 5477.7,1312.62 5490.7,1312.62 ; 5477.7,1313.62 5490.7,1313.62 ; 5477.7,1374.62 5500.7,1374.62 ; 5477.7,1375.62 5500.7,1375.62 ; 5477.7,1450.62 5514.7,1450.62 ; 5477.7,1516.62 5722.7,1516.62 ; 5478.7,1279.62 5978.7,1279.62 ; 5478.7,1308.62 5491.7,1308.62 ; 5478.7,1309.62 5491.7,1309.62 ; 5478.7,1314.62 5490.7,1314.62 ; 5478.7,1315.62 5491.7,1315.62 ; 5478.7,1376.62 5500.7,1376.62 ; 5478.7,1448.62 5513.7,1448.62 ; 5478.7,1449.62 5514.7,1449.62 ; 5478.7,1502.62 5499.7,1502.62 ; 5479.7,1306.62 5492.7,1306.62 ; 5479.7,1307.62 5491.7,1307.62 ; 5479.7,1316.62 5491.7,1316.62 ; 5479.7,1317.62 5491.7,1317.62 ; 5479.7,1446.62 5513.7,1446.62 ; 5479.7,1447.62 5513.7,1447.62 ; 5479.7,1515.62 5714.7,1515.62 ; 5480.7,1318.62 5492.7,1318.62 ; 5480.7,1377.62 5500.7,1377.62 ; 5480.7,1444.62 5513.7,1444.62 ; 5480.7,1445.62 5513.7,1445.62 ; 5480.7,1501.62 5503.7,1501.62 ; 5481.7,1280.62 5978.7,1280.62 ; 5481.7,1319.62 5493.7,1319.62 ; 5481.7,1320.62 5495.7,1320.62 ; 5481.7,1442.62 5513.7,1442.62 ; 5481.7,1443.62 5513.7,1443.62 ; 5482.7,1441.62 5510.7,1441.62 ; 5482.7,1514.62 5706.7,1514.62 ; 5483.7,1439.62 5507.7,1439.62 ; 5483.7,1440.62 5508.7,1440.62 ; 5483.7,1500.62 5506.7,1500.62 ; 5484.7,1281.62 5978.7,1281.62 ; 5484.7,1378.62 5500.7,1378.62 ; 5484.7,1437.62 5505.7,1437.62 ; 5484.7,1438.62 5506.7,1438.62 ; 5485.7,1434.62 5503.7,1434.62 ; 5485.7,1435.62 5504.7,1435.62 ; 5485.7,1436.62 5505.7,1436.62 ; 5485.7,1499.62 5510.7,1499.62 ; 5485.7,1513.62 5698.7,1513.62 ; 5486.7,1282.62 5978.7,1282.62 ; 5486.7,1432.62 5502.7,1432.62 ; 5486.7,1433.62 5503.7,1433.62 ; 5487.7,1379.62 5500.7,1379.62 ; 5487.7,1430.62 5501.7,1430.62 ; 5487.7,1431.62 5502.7,1431.62 ; 5487.7,1498.62 5514.7,1498.62 ; 5488.7,1283.62 5978.7,1283.62 ; 5488.7,1427.62 5500.7,1427.62 ; 5488.7,1428.62 5500.7,1428.62 ; 5488.7,1429.62 5501.7,1429.62 ; 5488.7,1512.62 5692.7,1512.62 ; 5489.7,1284.62 5684.7,1284.62 ; 5489.7,1419.62 5492.7,1419.62 ; 5489.7,1424.62 5498.7,1424.62 ; 5489.7,1425.62 5499.7,1425.62 ; 5489.7,1426.62 5499.7,1426.62 ; 5490.7,1380.62 5499.7,1380.62